# KiCad board INS-1 Matrix Display.kicad_pcb (continued)
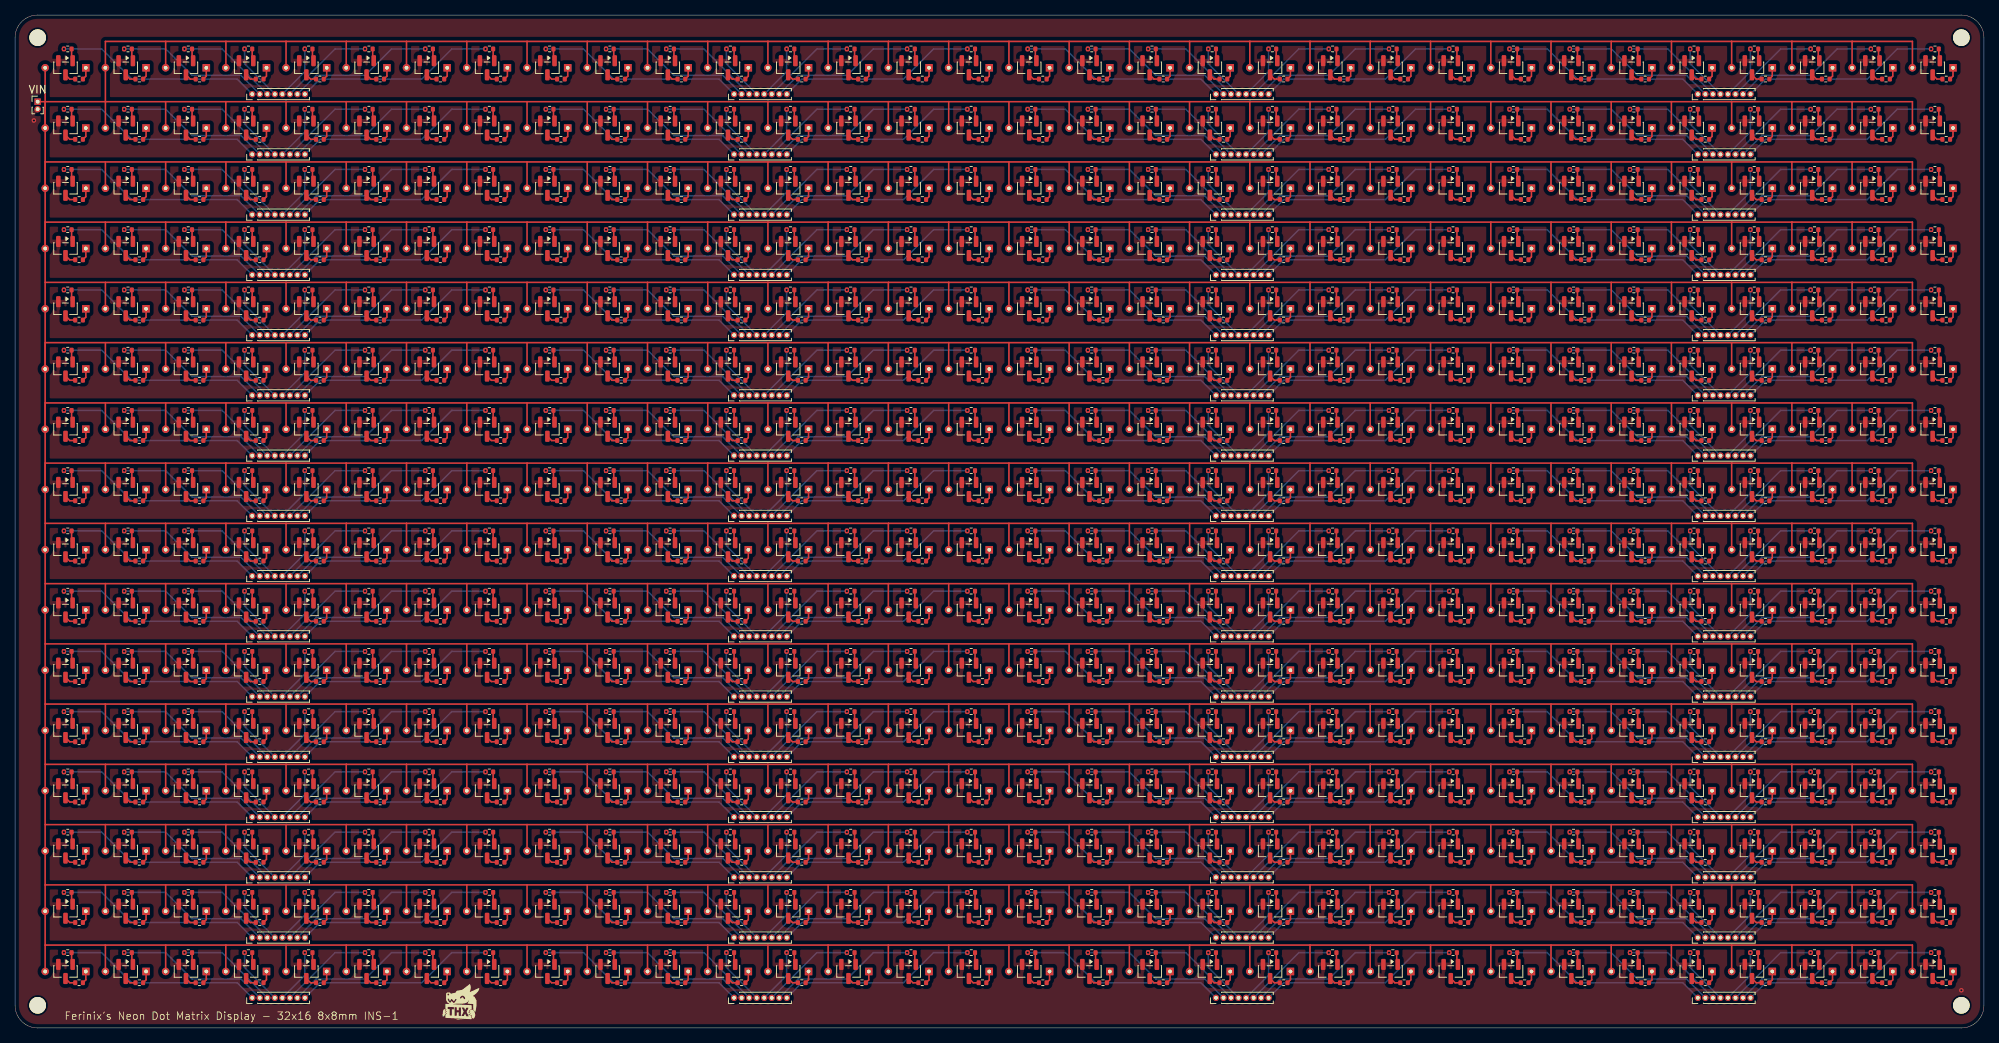
[diagram p0: board, top side]
## Routing (per net, layer and track width the routed paths; a pad name or vN(x,y) marks a point on that pad's centre or on a via; arc(x,y) is an arc through that point) (continued)
163.99,42.99 REF**#409.1 ; 164,43 156,43 ; 50K#250.1 57.39,110.39 REF**#218.2 ; MMBTA42#496.1 119.5,120.58 1K#105.2 ; REF**#356.1 43.99,66.99 44,67 ; 1K#183.2 167.5,24.58 MMBTA42#374.1 ; 50K#372.2 127.25,126 MMBTA42#250.3 ; 1K#49.2 7.51,64.58 MMBTA42#251.1 ; 50K#347.1 25.4,6.39 REF**#509.2 ; 50K#303.1 105.39,62.39 REF**#512.2 ; 36,115 44,115 ; MMBTA42#138.3 159.25,14 50K#26.2 ; MMBTA42#63.1 39.5,8.58 1K#188.2 ; 1K#394.2 191.5,40.58 MMBTA42#171.1 ; 50K#280.2 79.26,94 MMBTA42#344.3 ; 60,11 68,11 ; 60,11 60,7.51 REF**#15.1 ; 60,11 52,11 ; 68,11 REF**#130.1 ; 68,11 76,11 ; 1K#130.2 215.51,56.58 MMBTA42#467.1 ; 1K#173.2 239.5,32.58 MMBTA42#116.1 ; 172,19 180,19 ; 172,19 164,19 ; 172,19 171.99,18.99 REF**#410.1 ; 180,19 179.99,18.99 REF**#107.1 ; REF**#136.2 105.39,38.39 50K#493.1 ; 50K#494.1 57.39,14.39 REF**#334.2 ; 50K#266.1 41.39,70.39 REF**#40.2 ; MMBTA42#404.1 215.51,40.58 1K#159.2 ; 50K#210.1 153.4,62.39 REF**#348.2 ; 50K#24.2 47.25,94 MMBTA42#409.3 ; 50K#276.1 57.39,118.39 REF**#457.2 ; 50K#48.2 95.25,126 MMBTA42#195.3 ; MMBTA42#6.1 167.5,56.58 1K#455.2 ; 172,131 171.99,130.99 REF**#370.1 ; 172,131 180,131 ; 172,131 164,131 ; 1K#67.2 7.51,24.58 MMBTA42#139.1 ; 50K#125.2 23.26,78 MMBTA42#362.3 ; REF**#328.1 188,7.51 188,11 ; 50K#111.2 31.25,62 MMBTA42#399.3 ; 1K#186.2 103.5,64.58 MMBTA42#328.1 ; MMBTA42#191.3 223.25,78 50K#300.2 ; MMBTA42#248.1 63.5,8.58 1K#494.2 ; 50K#387.2 135.26,110 MMBTA42#230.3 ; REF**#363.1 51.99,66.99 52,67 ; 20,11 REF**#509.1 ; 50K#51.2 111.25,126 MMBTA42#51.3 ; MMBTA42#65.3 175.25,54 50K#380.2 ; 50K#430.1 177.39,30.39 REF**#381.2 ; MMBTA42#150.3 239.25,6 50K#28.2 ; MMBTA42#79.1 7.51,128.58 1K#290.2 ; MMBTA42#427.3 71.26,46 50K#34.2 ; REF**#115.2 177.39,86.39 50K#270.1 ; 50K#296.1 41.39,54.39 REF**#143.2 ; 50K#52.2 135.26,22 MMBTA42#473.3 ; MMBTA42#206.1 47.5,80.58 1K#470.2 ; 50K#382.2 191.25,30 MMBTA42#23.3 ; REF**#19.2 9.4,54.39 50K#105.1 ; REF**#429.2 57.39,38.39 50K#425.1 ; 50K#358.2 231.25,46 MMBTA42#40.3 ; MMBTA42#378.1 71.51,80.58 1K#179.2 ; 204,83 REF**#433.1 ; 204,83 196,83 ; 50K#178.2 103.25,110 MMBTA42#256.3 ; 50K#180.1 65.39,118.39 REF**#400.2 ; MMBTA42#104.3 7.26,38 50K#194.2 ; 50K#400.2 39.25,78 MMBTA42#321.3 ; REF**#230.1 252,87.51 252,91 244,91 ; 44,75 43.99,74.99 REF**#128.1 ; 36,27 44,27 ; 36,27 35.99,26.99 REF**#487.1 ; 44,27 43.99,26.99 REF**#24.1 ; MMBTA42#227.1 111.5,104.58 1K#251.2 ; MMBTA42#222.1 151.51,16.58 1K#286.2 ; MMBTA42#18.3 79.26,46 50K#46.2 ; REF**#382.1 20,91 ; 20,91 28,91 ; MMBTA42#117.3 95.25,102 50K#88.2 ; 164,19 163.99,18.99 REF**#390.1 ; 1K#269.2 71.51,128.58 MMBTA42#122.1 ; 50K#135.1 97.39,62.39 REF**#178.2 ; REF**#108.1 212,35 ; 212,35 220,35 ; MMBTA42#363.1 119.5,64.58 1K#132.2 ; 1K#195.2 143.51,104.58 MMBTA42#466.1 ; 50K#157.1 17.4,78.39 REF**#267.2 ; 1K#423.2 255.5,80.58 MMBTA42#52.1 ; MMBTA42#186.3 7.26,102 50K.2 ; MMBTA42#154.3 111.25,70 50K#39.2 ; 116,67 115.99,66.99 REF**#52.1 ; REF**#273.2 225.39,110.39 50K#62.1 ; MMBTA42#474.3 119.25,126 50K#164.2 ; MMBTA42#407.1 167.5,80.58 1K#503.2 ; MMBTA42#296.3 63.25,94 50K#426.2 ; MMBTA42#165.1 63.5,48.58 1K#190.2 ; 50K#95.2 39.25,126 MMBTA42#350.3 ; MMBTA42#288.3 231.25,62 50K#377.2 ; 50K#264.2 95.25,118 MMBTA42#181.3 ; 76,99 68,99 ; 76,99 REF**#216.1 ; 1K#146.2 255.5,104.58 MMBTA42#60.1 ; 36,91 44,91 ; 36,91 35.99,90.99 REF**#239.1 ; 36,91 28,91 ; 44,91 43.99,90.99 REF**#238.1 ; MMBTA42#37.3 15.26,62 50K#366.2 ; 132,91 REF**#41.1 ; MMBTA42#377.1 71.51,72.58 1K#400.2 ; MMBTA42#147.1 151.51,8.58 1K#84.2 ; 50K#240.1 105.39,46.39 REF**#262.2 ; 1K#240.2 183.5,72.58 MMBTA42#47.1 ; REF**#276.2 241.39,22.39 50K#433.1 ; MMBTA42#438.1 175.5,48.58 1K#55.2 ; 1K#263.2 63.5,120.58 MMBTA42#90.1 ; MMBTA42#504.1 7.51,32.58 1K#446.2 ; 124,51 124,47.51 REF**#365.1 ; 124,51 116,51 ; 1K#293.2 31.5,96.58 MMBTA42#376.1 ; MMBTA42#379.1 47.5,40.58 1K#61.2 ; MMBTA42#45.3 15.26,22 50K#127.2 ; MMBTA42#252.1 223.5,72.58 1K#208.2 ; 20,83 28,83 ; 20,83 REF**#198.1 ; 50K#74.2 167.25,6 MMBTA42#470.3 ; MMBTA42#367.1 231.5,96.58 1K#138.2 ; 1K#72.2 231.5,48.58 MMBTA42#40.1 ; 50K#60.2 175.25,22 MMBTA42#31.3 ; 1K#380.2 223.5,64.58 MMBTA42#66.1 ; MMBTA42#12.3 215.26,118 50K#505.2 ; 1K#203.2 247.5,128.58 MMBTA42#259.1 ; 1K#344.2 55.5,120.58 MMBTA42#487.1 ; MMBTA42#304.3 119.25,94 50K#424.2 ; 50K#435.1 201.4,70.39 REF**#99.2 ; REF**#316.1 188,111.51 188,115 ; MMBTA42#18.1 79.51,48.58 1K#412.2 ; 50K#432.1 241.39,94.39 REF**#428.2 ; 1K#249.2 167.5,104.58 MMBTA42#309.1 ; MMBTA42#226.3 79.26,126 50K#174.2 ; REF**#500.2 177.39,22.39 50K#60.1 ; MMBTA42#453.1 127.5,8.58 1K#447.2 ; 204,91 REF**#498.1 ; MMBTA42#464.1 143.51,128.58 1K#230.2 ; 50K#503.1 17.4,118.39 REF**#431.2 ; MMBTA42#399.1 31.5,64.58 1K#177.2 ; 50K#11.2 183.25,94 MMBTA42#458.3 ; 124,75 124,71.51 REF**#132.1 ; 124,75 116,75 ; 132,107 140,107 ; 132,107 REF**#127.1 ; 50K#396.1 217.4,46.39 REF**#205.2 ; 50K#337.1 33.39,6.39 REF**#122.2 ; REF**#303.1 115.99,114.99 116,115 ; 1K#283.2 151.51,64.58 MMBTA42#383.1 ; 50K#139.2 223.25,14 MMBTA42#287.3 ; 50K#360.2 239.25,86 MMBTA42#445.3 ; REF**#227.2 225.39,102.39 50K#148.1 ; MMBTA42#501.3 79.26,30 50K#138.2 ; REF**#259.2 121.39,126.39 50K#164.1 ; MMBTA42#70.3 239.25,70 50K#72.2 ; MMBTA42#436.3 63.25,86 50K#461.2 ; REF**#224.2 217.4,86.39 50K#294.1 ; 52,19 51.99,18.99 REF**#334.1 ; 52,19 44,19 ; 50K#386.1 137.4,62.39 REF**#93.2 ; 50K#489.2 7.26,94 MMBTA42#282.3 ; REF**#493.1 43.99,42.99 44,43 ; 180,115 179.99,114.99 REF**#82.1 ; 180,115 188,115 ; 50K#183.1 225.39,86.39 REF**#114.2 ; 50K#399.1 233.39,118.39 REF**#147.2 ; MMBTA42#86.1 143.51,48.58 1K#136.2 ; 50K#480.2 79.26,110 MMBTA42#76.3 ; 50K#439.2 223.25,118 MMBTA42#128.3 ; 188,115 196,115 ; 212,67 REF**#161.1 ; 50K#467.1 161.39,46.39 REF**#265.2 ; 188,67 196,67 ; 188,67 180,67 ; 196,67 REF**#357.1 ; REF**#110.1 115.99,74.99 116,75 ; MMBTA42#182.3 23.26,110 50K#154.2 ; MMBTA42#499.1 47.5,8.58 1K#155.2 ; 1K#422.2 247.5,120.58 MMBTA42#71.1 ; 50K#470.2 167.25,14 MMBTA42#448.3 ; REF**#437.1 148,99 ; 148,99 156,99 ; 148,99 140,99 ; MMBTA42#222.3 151.26,14 50K#231.2 ; 50K#318.2 135.26,6 MMBTA42#187.3 ; 50K#355.2 191.25,94 MMBTA42#61.3 ; MMBTA42#432.1 135.51,32.58 1K#369.2 ; 116,131 115.99,130.99 REF**#259.1 ; 132,99 140,99 ; 132,99 REF**#13.1 ; 140,99 REF**#162.1 ; MMBTA42#271.1 79.51,104.58 1K#440.2 ; 50K#217.1 225.39,54.39 REF**#18.2 ; MMBTA42#352.3 183.25,86 50K#58.2 ; MMBTA42#247.3 119.25,38 50K#196.2 ; MMBTA42#158.3 191.25,6 50K#31.2 ; 50K#438.1 177.39,126.39 REF**#370.2 ; MMBTA42#248.3 63.25,6 50K#76.2 ; 50K#110.2 95.25,38 MMBTA42#177.3 ; 50K#268.2 175.25,6 MMBTA42#477.3 ; REF**#256.1 51.99,106.99 52,107 ; REF**#17.2 233.39,102.39 50K#507.1 ; MMBTA42#395.3 15.26,30 50K#117.2 ; MMBTA42#93.1 199.51,56.58 1K#108.2 ; 12,59 REF**#174.1 ; 50K#241.1 89.4,62.39 REF**#95.2 ; MMBTA42#371.1 239.5,112.58 1K#44.2 ; REF**#192.1 163.99,66.99 164,67 ; 50K#200.2 143.26,30 MMBTA42#101.3 ; REF**#118.1 212,75 ; 212,75 220,75 ; MMBTA42#110.1 47.5,64.58 1K#310.2 ; 116,51 115.99,50.99 REF**#418.1 ; MMBTA42#443.1 199.51,72.58 1K#432.2 ; MMBTA42#162.3 231.25,78 50K#208.2 ; MMBTA42#396.1 191.5,120.58 1K#428.2 ; MMBTA42#144.1 111.5,56.58 1K#347.2 ; 50K#176.2 207.26,30 MMBTA42#203.3 ; MMBTA42#356.1 39.5,32.58 1K#439.2 ; 50K#376.1 217.4,110.39 REF**#380.2 ; MMBTA42#10.1 135.51,128.58 1K#511.2 ; MMBTA42#358.3 103.25,86 50K#417.2 ; REF**#338.1 28,31.51 28,35 ; 1K#349.2 79.51,8.58 MMBTA42#183.1 ; 50K#458.2 31.25,110 MMBTA42#510.3 ; MMBTA42.1 95.5,56.58 1K#106.2 ; MMBTA42#313.1 215.51,104.58 1K#297.2 ; REF**#96.1 35.99,82.99 36,83 ; 50K#299.1 9.4,46.39 REF**#333.2 ; MMBTA42#417.1 7.51,112.58 1K#92.2 ; 50K#377.1 233.39,62.39 REF**#443.2 ; REF**#207.2 153.4,6.39 50K#501.1 ; 1K#395.2 231.5,104.58 MMBTA42#340.1 ; 50K#230.2 119.25,46 MMBTA42#281.3 ; 188,43 188,39.51 REF**#294.1 ; 188,43 196,43 ; MMBTA42#198.1 159.5,40.58 1K#150.2 ; MMBTA42#457.3 151.26,30 50K#246.2 ; 50K#263.1 65.39,14.39 REF**#353.2 ; 50K#116.1 9.4,86.39 REF**#61.2 ; REF**#435.1 68,115 ; 68,115 60,115 ; MMBTA42#290.3 71.26,86 50K#71.2 ; MMBTA42#483.3 79.26,70 50K#334.2 ; 28,51 28,47.51 REF**#279.1 ; 28,51 36,51 ; 1K#274.2 23.51,104.58 MMBTA42#188.1 ; MMBTA42#34.3 191.25,102 50K#237.2 ; 50K#410.1 185.39,22.39 REF**#101.2 ; 188,51 196,51 ; 196,51 REF**#208.1 ; MMBTA42#177.1 95.5,40.58 1K#467.2 ; 1K#475.2 15.51,72.58 MMBTA42#231.1 ; 84,43 REF**#86.1 ; 84,43 92,43 ; REF**#202.1 148,123 ; 148,123 156,123 ; 100,123 99.99,122.99 REF**#378.1 ; 50K#105.2 7.26,54 MMBTA42#99.3 ; 50K#131.1 73.4,14.39 REF**#226.2 ; REF**#209.1 51.99,10.99 52,11 ; MMBTA42#465.1 23.51,24.58 1K#315.2 ; MMBTA42#260.1 103.5,104.58 1K#373.2 ; 50K#349.1 33.39,22.39 REF**#324.2 ; 50K#15.2 119.25,14 MMBTA42#295.3 ; 50K#511.2 175.25,14 MMBTA42#293.3 ; 1K#335.2 183.5,32.58 MMBTA42#212.1 ; REF**#142.2 233.39,70.39 50K#464.1 ; 20,75 REF**#358.1 ; 50K#141.1 153.4,94.39 REF**#437.2 ; 108,91 107.99,90.99 REF**#337.1 ; 50K#69.1 257.39,94.39 REF**#12.2 ; 50K#270.2 175.25,86 MMBTA42#319.3 ; REF**#373.1 35.99,50.99 36,51 ; REF**#104.1 179.99,106.99 180,107 ; MMBTA42#297.3 239.25,46 50K#150.2 ; MMBTA42#334.3 111.25,110 50K#216.2 ; REF**#322.2 209.4,70.39 50K#219.1 ; MMBTA42#93.3 199.26,54 50K#335.2 ; 50K#87.1 153.4,86.39 REF**#22.2 ; 156,123 155.99,122.99 REF**#343.1 ; MMBTA42#419.3 119.25,86 50K#285.2 ; REF**#349.2 49.39,102.39 50K#453.1 ; 1K#342.2 55.5,104.58 MMBTA42#135.1 ; REF**#251.2 97.39,126.39 50K#48.1 ; REF**#246.2 257.39,70.39 50K#202.1 ; 228,67 227.99,66.99 REF**#443.1 ; 50K#288.2 23.26,46 MMBTA42#394.3 ; REF**#331.2 241.39,126.39 50K#361.1 ; 1K#258.2 55.5,32.58 MMBTA42#444.1 ; 50K#38.1 145.4,22.39 REF**.2 ; MMBTA42#67.1 103.5,8.58 1K#53.2 ; 220,75 228,75 ; 1K#141.2 23.51,72.58 MMBTA42#279.1 ; 50K#397.1 41.39,102.39 REF**#397.2 ; 50K#304.1 225.39,70.39 REF**#199.2 ; 1K#409.2 111.5,120.58 MMBTA42#141.1 ; REF**#502.1 212,11 ; 212,11 220,11 ; REF**#515.2 225.39,46.39 50K#375.1 ; 50K#212.2 239.25,118 MMBTA42#125.3 ; REF**#173.2 113.39,54.39 50K#316.1 ; MMBTA42#301.3 39.25,62 50K#44.2 ; 50K#224.1 73.4,78.39 REF**#311.2 ; 1K#377.2 207.51,128.58 MMBTA42#218.1 ; REF**#298.2 33.39,78.39 50K#374.1 ; MMBTA42#245.3 199.26,14 50K#259.2 ; 1K#433.2 15.51,112.58 MMBTA42#435.1 ; REF**#290.1 43.99,18.99 44,19 ; 1K#398.2 223.5,32.58 MMBTA42#50.1 ; MMBTA42#497.3 23.26,118 50K#186.2 ; 50K#134.1 73.4,110.39 REF**#435.2 ; 50K#390.1 185.39,70.39 REF**#83.2 ; 50K#166.2 207.26,86 MMBTA42#228.3 ; MMBTA42#3.1 55.5,80.58 1K#262.2 ; REF**#463.2 121.39,30.39 50K#128.1 ; 1K#408.2 183.5,128.58 MMBTA42#19.1 ; REF**#433.2 209.4,78.39 50K#204.1 ; 1K#331.2 207.51,80.58 MMBTA42#14.1 ; 140,35 REF**#506.1 ; REF**#405.1 171.99,98.99 172,99 ; REF**#444.1 171.99,66.99 172,67 ; 1K#410.2 143.51,88.58 MMBTA42#331.1 ; 50K#262.2 39.25,86 MMBTA42#167.3 ; MMBTA42#227.3 111.25,102 50K#291.2 ; 1K#340.2 207.51,40.58 MMBTA42#204.1 ; REF**#283.1 51.99,130.99 52,131 ; 50K#322.1 153.4,54.39 REF**#419.2 ; REF**#383.1 4,107 12,107 ; 1K#171.2 55.5,72.58 MMBTA42#267.1 ; 50K#460.2 31.25,94 MMBTA42#376.3 ; 1K#99.2 71.51,104.58 MMBTA42#397.1 ; REF**#287.1 220,31.51 220,35 ; MMBTA42#176.3 223.25,22 50K#163.2 ; 50K#470.1 169.39,14.39 REF**#390.2 ; REF**#36.1 212,99 ; 212,99 204,99 ; 212,99 220,99 ; MMBTA42#502.3 7.26,78 50K#185.2 ; 50K#368.2 23.26,30 MMBTA42#437.3 ; REF**#195.1 20,67 ; 50K#178.1 105.39,110.39 REF**#42.2 ; MMBTA42#33.1 87.51,48.58 1K#319.2 ; 236,59 228,59 ; 236,59 244,59 ; 50K#263.2 63.25,14 MMBTA42#452.3 ; 50K#342.2 247.25,94 MMBTA42#508.3 ; 50K#481.2 119.25,70 MMBTA42#78.3 ; MMBTA42#450.3 231.25,38 50K#389.2 ; 140,115 148,115 ; 140,115 REF**#450.1 ; 50K#104.2 103.25,70 MMBTA42#375.3 ; MMBTA42#260.3 103.25,102 50K#278.2 ; 50K#383.2 7.26,62 MMBTA42#251.3 ; MMBTA42#101.1 143.51,32.58 1K#45.2 ; MMBTA42#346.3 175.25,94 50K#477.2 ; 50K#354.1 177.39,70.39 REF**#220.2 ; 1K#76.2 31.5,80.58 MMBTA42#100.1 ; REF**#128.2 49.39,70.39 50K#297.1 ; 1K#257.2 135.51,88.58 MMBTA42#423.1 ; 50K#93.1 241.39,38.39 REF**#292.2 ; 1K#250.2 31.5,32.58 MMBTA42#463.1 ; MMBTA42#99.1 7.51,56.58 1K#277.2 ; 1K#217.2 31.5,104.58 MMBTA42#197.1 ; 1K#142.2 239.5,64.58 MMBTA42#347.1 ; 1K#82.2 135.51,96.58 MMBTA42#38.1 ; 1K#289.2 55.5,16.58 MMBTA42#213.1 ; 50K#161.2 247.25,102 MMBTA42#199.3 ; REF**#447.2 49.39,78.39 50K#113.1 ; 116,19 124,19 ; 116,19 108,19 ; 124,19 124,15.51 REF**#193.1 ; MMBTA42#160.1 87.51,128.58 1K#484.2 ; REF**#164.1 252,7.51 252,11 244,11 ; 50K#98.1 97.39,94.39 REF**#255.2 ; 1K#83.2 71.51,32.58 MMBTA42#270.1 ; REF**#158.1 99.99,130.99 100,131 ; 50K#310.2 15.26,126 MMBTA42#62.3 ; 1K#266.2 151.51,72.58 MMBTA42#105.1 ; MMBTA42#253.3 183.25,54 50K#236.2 ; REF**#516.2 185.39,46.39 50K#205.1 ; 1K#346.2 159.5,64.58 MMBTA42#475.1 ; REF**#470.2 177.39,110.39 50K#90.1 ; MMBTA42#475.3 159.25,62 50K#339.2 ; MMBTA42#219.1 39.5,40.58 1K#402.2 ; 228,59 227.99,58.99 REF**#284.1 ; 228,59 220,59 ; 1K#51.2 119.5,8.58 MMBTA42#298.1 ; REF**#465.1 156,111.51 156,115 ; 1K#120.2 47.5,104.58 MMBTA42#112.1 ; 50K#485.1 105.39,30.39 REF**#339.2 ; MMBTA42#483.1 79.51,72.58 1K#26.2 ; MMBTA42#314.1 47.5,24.58 1K#167.2 ; MMBTA42#313.3 215.26,102 50K#476.2 ; 50K#323.2 119.25,6 MMBTA42#298.3 ; 220,59 219.99,58.99 REF**#18.1 ; 220,59 212,59 ; MMBTA42#295.1 119.5,16.58 1K#143.2 ; MMBTA42#320.1 71.51,64.58 1K#172.2 ; 20,115 12,115 ; 20,115 REF**#408.1 ; MMBTA42#239.1 119.5,56.58 1K#457.2 ; 20,107 28,107 ; 20,107 REF**#329.1 ; 20,107 12,107 ; 28,107 27.99,106.99 REF**#156.1 ; MMBTA42#220.3 7.26,86 50K#116.2 ; REF**#158.2 105.39,126.39 50K#274.1 ; MMBTA42#17.1 111.5,40.58 1K#482.2 ; 50K#301.2 215.26,14 MMBTA42#456.3 ; 50K#117.1 17.4,30.39 REF**#90.2 ; 50K#269.2 151.26,38 MMBTA42#169.3 ; 204,99 REF**#345.1 ; 50K#249.1 217.4,6.39 REF**#502.2 ; 100,11 108,11 ; 100,11 99.99,10.99 REF**#112.1 ; 100,11 92,11 ; 108,11 107.99,10.99 REF**#305.1 ; 236,51 228,51 ; 50K#293.1 233.39,30.39 REF**#186.2 ; 50K#368.1 25.4,30.39 REF**#77.2 ; 50K#358.1 233.39,46.39 REF**#111.2 ; 1K#97.2 23.51,16.58 MMBTA42#25.1 ; MMBTA42#302.3 111.25,46 50K#152.2 ; 50K#305.2 247.25,62 MMBTA42#205.3 ; 50K#305.1 249.39,62.39 REF**#247.2 ; 116,99 115.99,98.99 REF**#296.1 ; 50K#348.2 87.26,6 MMBTA42#36.3 ; 1K#74.2 119.5,48.58 MMBTA42#281.1 ; 1K#334.2 7.51,104.58 MMBTA42#186.1 ; 50K#126.1 41.39,94.39 REF**#307.2 ; 244,131 252,131 252,127.51 REF**#452.1 ; 244,131 243.99,130.99 REF**#478.1 ; 50K#244.1 57.39,62.39 REF**#363.2 ; REF**#411.2 217.4,22.39 50K#100.1 ; MMBTA42#496.3 119.25,118 50K#483.2 ; REF**#256.2 57.39,102.39 50K#91.1 ; 180,67 179.99,66.99 REF**#462.1 ; 180,67 172,67 ; 50K#119.1 25.4,14.39 REF**#134.2 ; 124,43 124,39.51 REF**#454.1 ; MMBTA42#259.3 247.25,126 50K#239.2 ; 1K#403.2 247.5,16.58 MMBTA42#229.1 ; MMBTA42#48.1 87.51,88.58 1K#431.2 ; 50K#254.1 257.39,126.39 REF**#452.2 ; 50K#195.1 161.39,38.39 REF**#407.2 ; 1K#430.2 71.51,56.58 MMBTA42#498.1 ; MMBTA42#152.1 127.5,120.58 1K#429.2 ; MMBTA42#502.1 7.51,80.58 1K#222.2 ; 50K#264.1 97.39,118.39 REF**#11.2 ; MMBTA42#17.3 111.25,38 50K#510.2 ; 50K#121.2 255.25,102 MMBTA42#60.3 ; 1K#268.2 143.51,120.58 MMBTA42#232.1 ; 50K#392.2 119.25,62 MMBTA42#363.3 ; 92,131 92,127.51 REF**#251.1 ; 92,131 100,131 ; 92,131 84,131 ; 50K#317.2 47.25,6 MMBTA42#499.3 ; REF**#341.1 84,19 ; 84,19 76,19 ; REF**#2.2 185.39,94.39 50K#11.1 ; MMBTA42#42.1 103.5,96.58 1K#506.2 ; REF**#49.1 84,11 ; 84,11 92,11 ; 84,11 76,11 ; 76,91 REF**#148.1 ; 76,91 84,91 ; 50K#181.1 97.39,86.39 REF**#475.2 ; REF**#165.2 81.4,22.39 50K#214.1 ; MMBTA42#87.3 127.25,46 50K#373.2 ; 1K#58.2 207.51,24.58 MMBTA42#243.1 ; 50K#120.1 209.4,6.39 REF**#285.2 ; 50K#313.2 87.26,86 MMBTA42#48.3 ; 50K#168.2 215.26,126 MMBTA42#119.3 ; REF**#154.2 81.4,46.39 50K#46.1 ; MMBTA42#422.3 175.25,38 50K#497.2 ; 50K#162.1 49.39,30.39 REF**#461.2 ; REF**#210.2 249.39,46.39 50K#345.1 ; 50K#3.1 153.4,126.39 REF**#26.2 ; MMBTA42#228.1 207.51,88.58 1K#102.2 ; REF**#460.2 89.4,30.39 50K#80.1 ; 50K#136.1 201.4,110.39 REF**#217.2 ; MMBTA42#12.1 215.51,120.58 1K#360.2 ; MMBTA42#134.3 231.25,118 50K#399.2 ; 1K#406.2 15.51,64.58 MMBTA42#37.1 ; 50K#158.2 135.26,14 MMBTA42#2.3 ; REF**#303.2 121.39,110.39 50K#35.1 ; REF**#151.2 105.39,70.39 50K#104.1 ; 50K#71.1 73.4,86.39 REF**#360.2 ; REF**#94.2 73.4,22.39 50K#144.1 ; 50K#418.2 159.25,22 MMBTA42#190.3 ; MMBTA42#336.1 191.5,80.58 1K#152.2 ; 50K#261.2 223.25,126 MMBTA42#185.3 ; 1K#151.2 239.5,24.58 MMBTA42#439.1 ; 50K#2.1 153.4,78.39 REF**#106.2 ; REF**#229.2 65.39,70.39 50K#255.1 ; 1K#95.2 103.5,48.58 MMBTA42#210.1 ; MMBTA42#49.3 151.26,102 50K#370.2 ; 50K#308.1 169.39,118.39 REF**#232.2 ; 50K#214.2 79.26,22 MMBTA42#460.3 ; REF**#5.2 73.4,62.39 50K#189.1 ; MMBTA42#255.1 15.51,80.58 1K#86.2 ; 76,107 84,107 ; 76,107 REF**#476.1 ; REF**#174.2 17.4,54.39 50K#415.1 ; 1K#161.2 199.51,32.58 MMBTA42#215.1 ; 50K#23.2 175.25,118 MMBTA42#254.3 ; 188,83 196,83 ; 188,83 180,83 ; 188,83 188,79.51 REF**#170.1 ; 196,83 REF**#366.1 ; 1K#103.2 87.51,8.58 MMBTA42#36.1 ; 50K#127.1 17.4,22.39 REF**#179.2 ; MMBTA42#171.3 191.25,38 50K#509.2 ; 50K#253.2 95.25,54 MMBTA42.3 ; REF**#511.2 217.4,126.39 50K#168.1 ; REF**#388.1 91.99,10.99 92,11 ; 1K#98.2 247.5,8.58 MMBTA42#54.1 ; 50K#54.1 145.4,62.39 REF**#402.2 ; 1K#210.2 143.51,112.58 MMBTA42#236.1 ; REF**#456.2 121.39,6.39 50K#323.1 ; MMBTA42#350.1 39.5,128.58 1K#414.2 ; REF**#300.2 249.39,86.39 50K#371.1 ; 1K#427.2 239.5,8.58 MMBTA42#150.1 ; REF**#488.2 201.4,126.39 50K#10.1 ; 156,115 148,115 ; MMBTA42#423.3 135.26,86 50K#106.2 ; REF**#112.2 105.39,6.39 50K#403.1 ; 1K#11.2 135.51,56.58 MMBTA42#189.1 ; 92,43 100,43 ; 92,43 91.99,42.99 REF**#231.1 ; 100,43 99.99,42.99 REF**#136.1 ; MMBTA42#501.1 79.51,32.58 1K#94.2 ; 1K#253.2 215.51,112.58 MMBTA42#425.1 ; 1K#264.2 63.5,104.58 MMBTA42#454.1 ; MMBTA42#184.3 175.25,78 50K#289.2 ; 236,43 244,43 ; 236,43 228,43 ; MMBTA42#89.1 207.51,120.58 1K#178.2 ; REF**#166.2 81.4,54.39 50K#67.1 ; MMBTA42#111.1 159.5,72.58 1K#366.2 ; 244,83 243.99,82.99 REF**#33.1 ; 244,83 236,83 ; MMBTA42#476.3 87.26,94 50K#341.2 ; REF**#14.2 81.4,62.39 50K#65.1 ; 164,59 172,59 ; 164,59 163.99,58.99 REF**#102.1 ; MMBTA42#465.3 23.26,22 50K#275.2 ; 1K#21.2 199.51,104.58 MMBTA42#391.1 ; REF**#69.1 76,11 ; MMBTA42#398.1 71.51,112.58 1K#128.2 ; 100,35 99.99,34.99 REF**#339.1 ; 108,75 116,75 ; 108,75 100,75 ; 228,115 236,115 ; MMBTA42#378.3 71.26,78 50K#224.2 ; 50K#383.1 9.4,62.39 REF**#510.2 ; 1K#296.2 23.51,48.58 MMBTA42#394.1 ; 1K#481.2 127.5,128.58 MMBTA42#250.1 ; 50K#248.1 169.39,94.39 REF**#29.2 ; MMBTA42#280.1 31.5,40.58 1K#127.2 ; REF**#29.1 163.99,98.99 164,99 ; 50K#419.2 215.26,38 MMBTA42#404.3 ; 50K#267.2 71.26,54 MMBTA42#498.3 ; 1K#23.2 191.5,72.58 MMBTA42#405.1 ; REF**#82.2 185.39,110.39 50K#63.1 ; MMBTA42#46.3 159.25,118 50K#228.2 ; MMBTA42#448.1 167.5,16.58 1K#75.2 ; 50K#381.1 193.39,62.39 REF**#321.2 ; REF**#62.2 249.39,30.39 50K#173.1 ; 50K#417.1 105.39,86.39 REF**#248.2 ; 1K#216.2 191.5,48.58 MMBTA42#115.1 ; REF**#371.2 33.39,110.39 50K#458.1 ; 1K#375.2 199.51,120.58 MMBTA42#308.1 ; MMBTA42#500.3 143.26,94 50K#351.2 ; 1K#70.2 39.5,96.58 MMBTA42#406.1 ; 1K#363.2 231.5,72.58 MMBTA42#424.1 ; REF**#44.1 132,11 ; MMBTA42#211.1 127.5,104.58 1K#220.2 ; 50K#112.1 145.4,118.39 REF**#249.2 ; 1K#144.2 47.5,48.58 MMBTA42#27.1 ; 1K#30.2 127.5,64.58 MMBTA42#225.1 ; REF**#71.2 121.39,86.39 50K#285.1 ; REF**#43.1 107.99,18.99 108,19 ; 1K#96.2 63.5,40.58 MMBTA42#73.1 ; 50K#126.2 39.25,94 MMBTA42#406.3 ; 50K#256.2 223.25,62 MMBTA42#66.3 ; MMBTA42#26.3 79.26,86 50K#283.2 ; 1K#348.2 111.5,24.58 MMBTA42#403.1 ; MMBTA42#393.3 95.25,62 50K#135.2 ; 50K#27.2 159.25,54 MMBTA42#209.3 ; MMBTA42#24.3 159.25,78 50K#232.2 ; 180,131 179.99,130.99 REF**#105.1 ; 50K#45.2 111.25,94 MMBTA42#261.3 ; 1K#62.2 199.51,128.58 MMBTA42#359.1 ; MMBTA42#121.1 127.5,56.58 1K#77.2 ; 50K#156.1 137.4,46.39 REF**#200.2 ; 196,115 REF**#217.1 ; 116,27 115.99,26.99 REF**#301.1 ; REF**#336.1 20,43 ; 1K#393.2 207.51,64.58 MMBTA42#221.1 ; 50K#124.1 17.4,46.39 REF**#361.2 ; 164,131 163.99,130.99 REF**#53.1 ; 1K#189.2 119.5,80.58 MMBTA42#509.1 ; 1K#359.2 255.5,88.58 MMBTA42#237.1 ; 1K#416.2 103.5,16.58 MMBTA42#137.1 ; MMBTA42#333.3 151.26,126 50K#3.2 ; 50K#450.1 121.39,102.39 REF**#453.2 ; MMBTA42#46.1 159.5,120.58 1K#50.2 ; 1K#233.2 135.51,24.58 MMBTA42#473.1 ; 220,51 228,51 ; 220,51 212,51 ; 220,107 219.99,106.99 